# Altium PCB 小车PCB升级.PcbDoc (part 1 of 3) (continued)
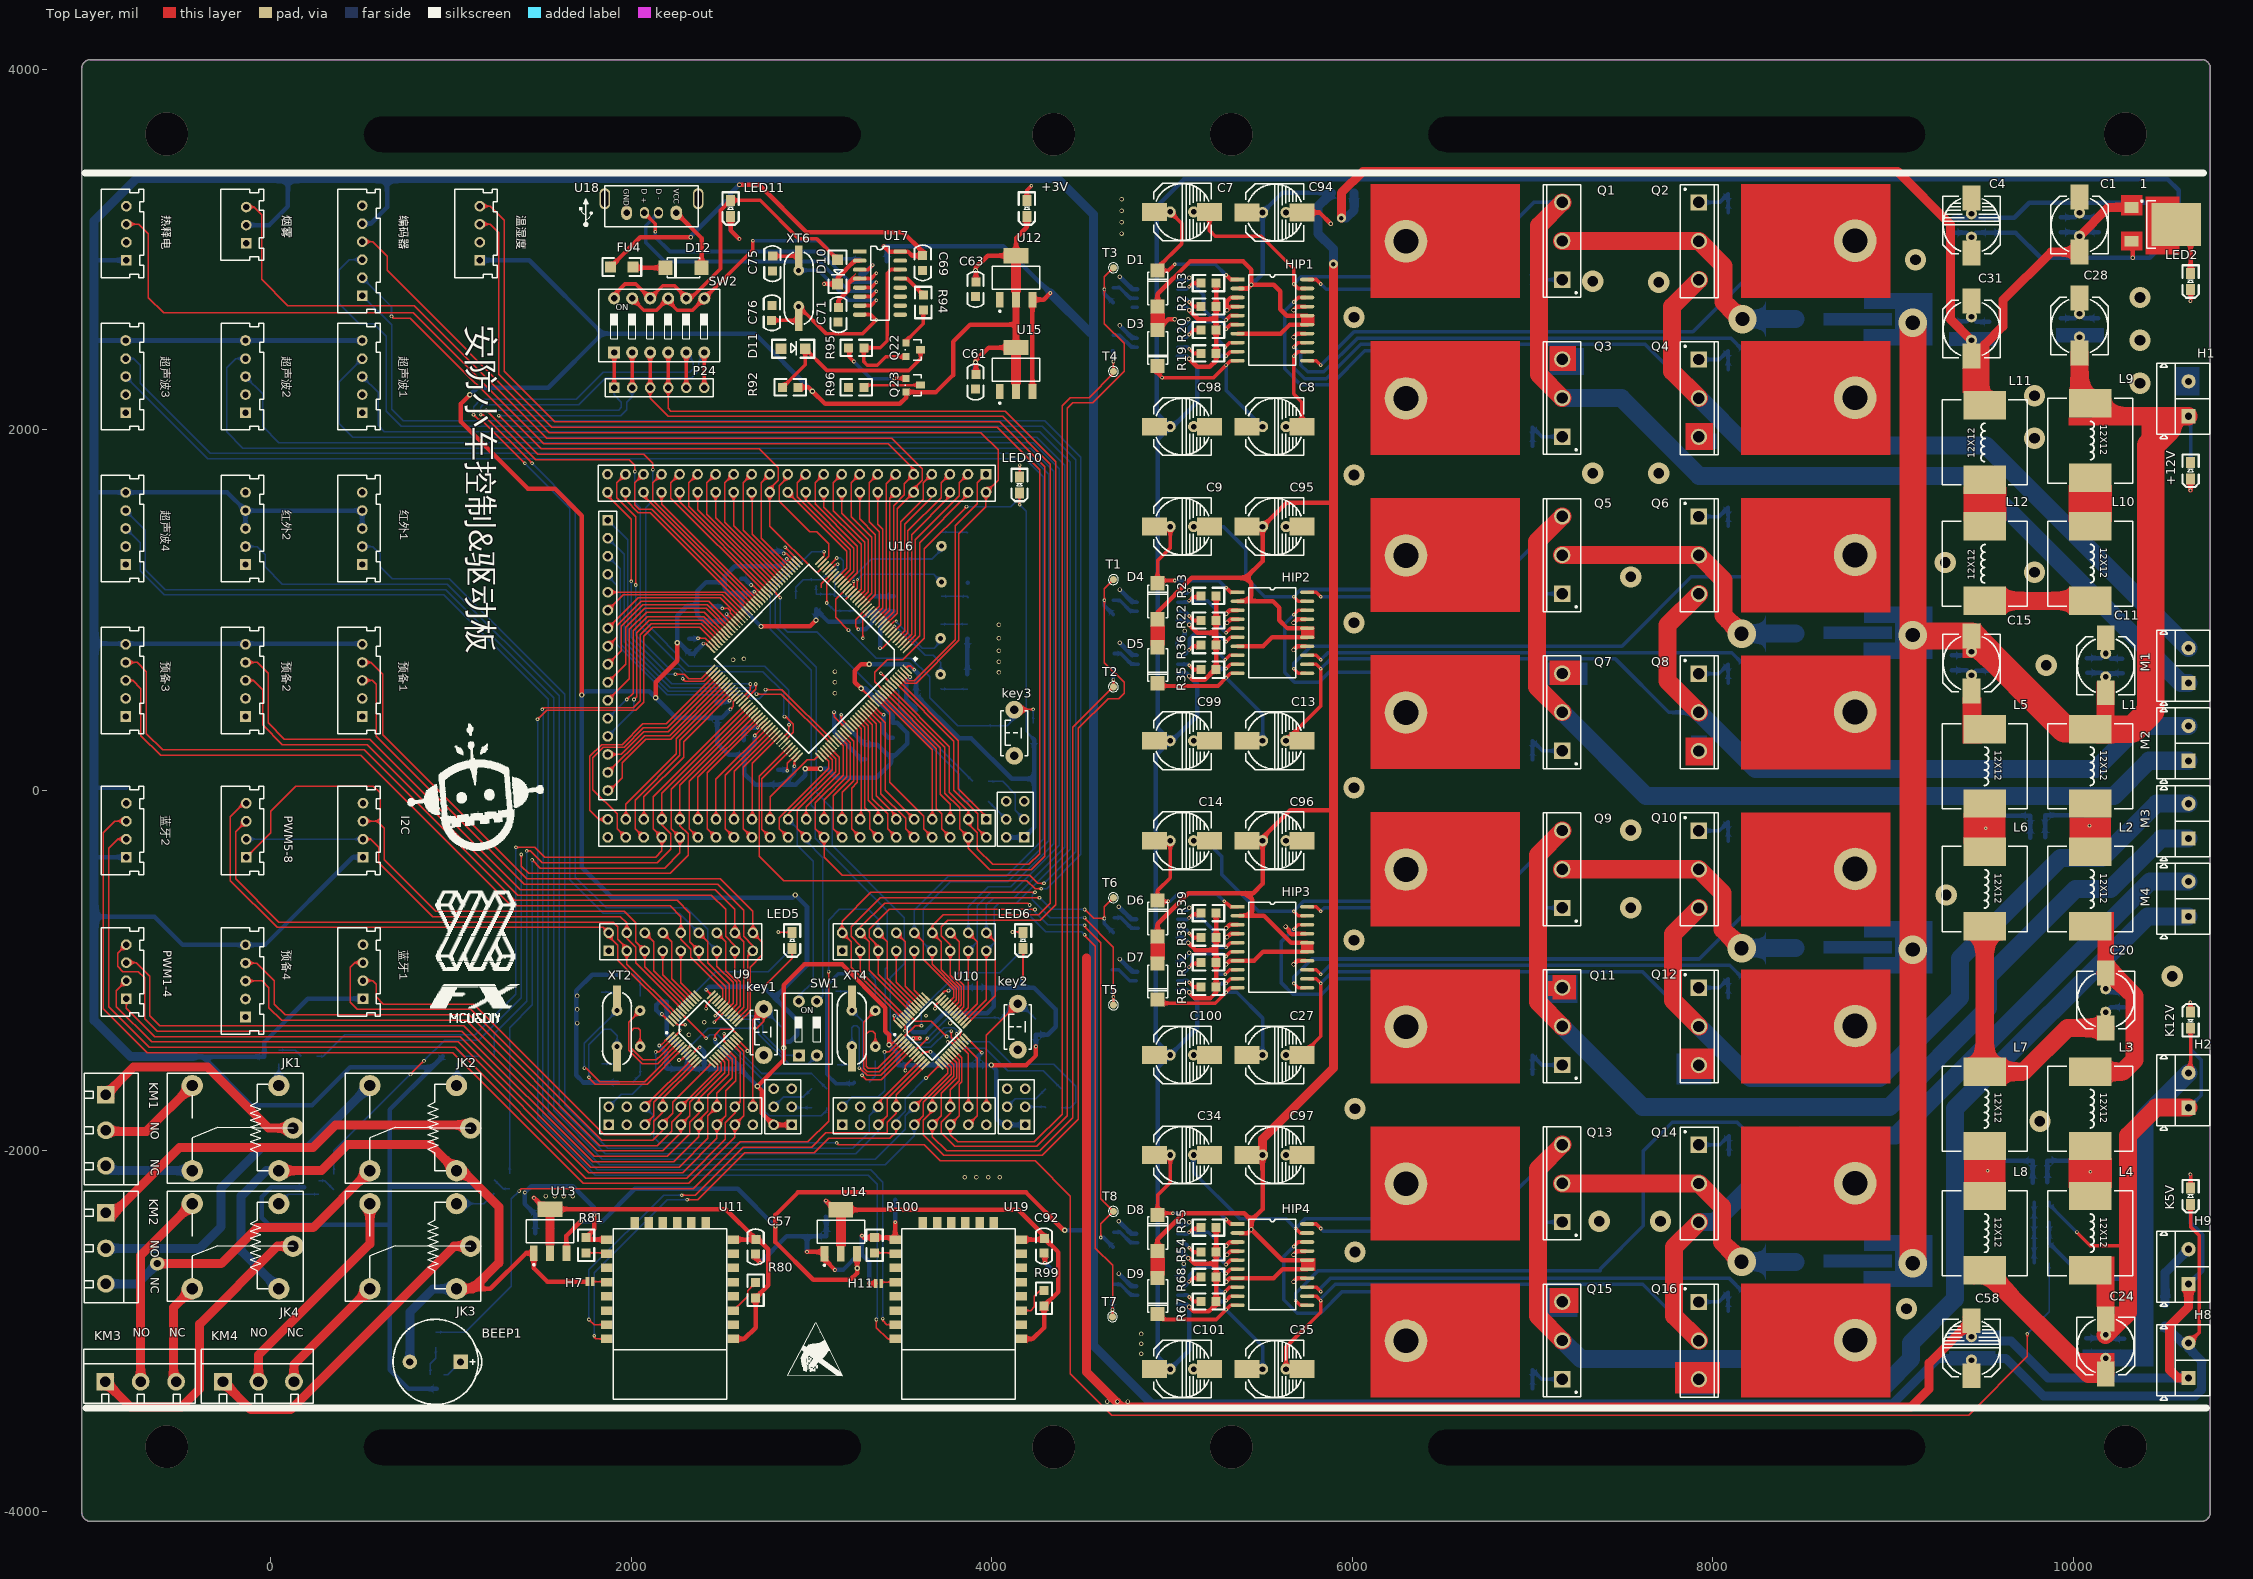
[diagram p0: Top Layer view]
## Components (designator, comment, footprint, x,y, rotation, side; value= is the part's Value field where it differs from the comment) (continued)
U3 "6N137" SOP-8 4920,1020 r90 bottom
U4 "6N137" SOP-8 4920,725 r90 bottom
U5 "6N137" SOP-8 4920,-740 r90 bottom
U6 "6N137" SOP-8 4920,-1030 r90 bottom
U7 "6N137" SOP-8 4920,-2485 r90 bottom
U8 "6N137" SOP-8 4920,-2775 r90 bottom
U9 "STM32F103C8" TQFP48 2405,-1325 r45 top
U10 "STM32F103C8" TQFP48 3670,-1335 r45 top
U11 "ESP-12F" ESP-12F 2530.35,-2432.24 r180 top
U12 "LM1117" SOT-223 4135.17,2845 r0 top
U13 "LM1117" SOT-223 1550,-2445 r0 top
U14 "LM1117" SOT-223 3162.48,-2448.31 r0 top
U15 "LM1117" SOT-223 4135.17,2335 r0 top
U16 "STM32F103ZET6" TQFP144 3025,650 r225 top
U17 "CH340G" SOP-16 3380,2815 r270 top
U18 "USB A" "USB A 母-立式" 2111.4,3242.26 r180 top
U19 "ESP-12F" ESP-12F 4129.57,-2432.24 r180 top
XT1 "32.768K" XTAL-T 2050,-1320 r90 bottom
XT2 "8MHZ" XTAL-T 1920,-1320 r90 top
XT3 "32.768K" XTAL-T 3355,-1320 r90 bottom
XT4 "8MHZ" XTAL-T 3225,-1321 r270 top
XT5 "32.768KHZ" XTAL-T 3716.94,745 r90 bottom
XT6 "12MHZ" XTAL-T 2930,2785 r270 top
XT7 "8MHZ" XTAL-T 3720,1255 r270 bottom
温湿度 "HTU21D" PZ_XH-2.54-4P 1160,3041.77 r90 top (schematic designator HTU1)
烟雾 "Header 3H" PZ_XH-2.54-3P -136.67,3136.85 r90 top (schematic designator P8)
热释电 "Header 4H" PZ_XH-2.54-4P -801.06,3041.77 r90 top (schematic designator P7)
红外1 "Header 5H" PZ_XH-2.54-5P 507.73,1253.65 r90 top (schematic designator P14)
红外2 "Header 5H" PZ_XH-2.54-5P -140,1253.65 r90 top (schematic designator P15)
编码器 "Header 6H" PZ_XH-2.54-6P 507.73,2745 r90 top (schematic designator P25)
蓝牙1 "蓝牙1" PZ_XH-2.54-4P 511.67,-1055 r90 top (schematic designator P4)
蓝牙2 "蓝牙2" PZ_XH-2.54-4P -801.06,-270 r90 top (schematic designator P10)
超声波1 "Header 5H" PZ_XH-2.54-5P 507.73,2096.53 r90 top (schematic designator P16)
超声波2 "Header 5H" PZ_XH-2.54-5P -140,2096.53 r90 top (schematic designator P17)
超声波3 "Header 5H" PZ_XH-2.54-5P -805,2096.53 r90 top (schematic designator P20)
超声波4 "Header 5H" PZ_XH-2.54-5P -805,1253.65 r90 top (schematic designator P21)
预备1 "Header 5H" PZ_XH-2.54-5P 507.73,410.76 r90 top (schematic designator P18)
预备2 "Header 5H" PZ_XH-2.54-5P -140,410.76 r90 top (schematic designator P19)
预备3 "Header 5H" PZ_XH-2.54-5P -805,410.76 r90 top (schematic designator P22)
预备4 "Header 5H" PZ_XH-2.54-5P -140,-1256.77 r90 top (schematic designator P23)
? "Comment" ICO1 3015,-3135 r0 top
? "Comment" USB_LOGO 1750,3200 r0 top
? "Comment" B209 1095,-25 r0 top

## Footprints (in the part's own frame and the unit in brackets; to place one, negate y for a bottom-side part, rotate by r counter-clockwise, add the part's x,y. Pads: shape width x height; smd on the part's side, far side on the other; paste and mask are expansions set on the pad)
2P [mil]
  rect 20x50 smd: 1(-15,1) 2(15,1)
5V蜂鸣器 [mil]
  rect 80x80 hole 40: 1(-138,0)
  round 80 hole 40: 2(143.59,0)
  silkscreen extent -256,-236 236,236, body extent -232,-236 240,237, height 339
12*12电感 [mm]
  rect 4x6 smd: 1(0.762,6) 2(11.238,5.994)
  silkscreen extent 0,0 12,12, body extent -0.36,-0.36 12.34,12.34, height 8.5
0805 [mil]
  rect 50x50 smd: 1(-5,0) 2(80,0)
  silkscreen extent -50,-45 125,45, body extent -8,-24 70,25
0805C [mil]
  rect 50x50 smd: 1(0,-5) 2(82,-7)
  silkscreen extent -59,-50 139,40, body extent 2,-30 80,17, height 47
0805D [mil]
  rect 60x50 smd: 1(-45,0) 2(45,0)
  silkscreen extent -90,-45 90,45, body extent -43,-25 37,24, height 43
1206 [mil]
  rect 60x60 smd: 1(5,0) 2(130,0)
  silkscreen extent -40,-50 175,50
1206D [mil]
  rect 60x60 smd: 1(0,0) 2(135,0)
  silkscreen extent -50,-50 185,50
B209 [mil]
  silkscreen extent -338,-307 420,396
CD-8*8-2 [mil] "CD11"
  rect 98.43x137.8 smd: 1(0,155) 2(0,-150)
  round 62 hole 31.5: 1(0,68) 2(0,-62)
  silkscreen extent -160,-160 160,160, body extent -163,-177 163,177, height 272
CD-8*8-无极性 [mil] "CD11"
  round 62 hole 31.5: 1(0,68) 2(0,-62)
  rect 98.43x137.8 smd: 1(0,155) 2(0,-150)
  silkscreen extent -160,-160 160,160, body extent -157,-157 157,157, height 394
"CSW DIP-2P" [mm] "6.6*9.9*7mm"
  rect 1.7x1.7 hole 0.9: 1(-1.27,-3.81)
  round 1.7 hole 0.9: 2(1.27,-3.81) 3(1.27,3.81) 4(-1.27,3.81)
  silkscreen extent -3.43,-5.08 3.43,4.95, body extent -3.32,-4.95 3.32,4.95, height 6.65
"CSW DIP-6P" [mm] "16.8*9.9*7mm"
  rect 1.7x1.7 hole 0.9: 1(-6.35,-3.81)
  round 1.7 hole 0.9: 2(-3.81,-3.81) 3(-1.27,-3.81) 4(1.27,-3.81) 5(3.81,-3.81) 6(6.35,-3.81) 7(6.35,3.81) 8(3.81,3.81) 9(1.27,3.81) 10(-1.27,3.81) 11(-3.81,3.81) 12(-6.35,3.81)
  silkscreen extent -8.51,-5.08 8.51,5.08, body extent -8.4,-4.95 8.4,4.95, height 6.65
"DO-214-M7-  4007贴片" [mm]
  rect 2x2 smd: 1(2.413,0) 2(-2.667,0)
  silkscreen extent -2.41,-1.4 2.19,1.4, body extent -2.73,-1.33 2.47,1.27, height 2.53
ESP-12F [mm]
  rect 1.6x1.2 smd: 1(-0.9,15.5) 2(-0.9,13.5) 3(-0.9,11.5) 4(-0.9,9.5) 5(-0.9,7.5) 6(-0.9,5.5) 7(-0.9,3.5) 8(-0.9,1.5) 15(16.9,1.5) 16(16.9,3.5) 17(16.9,5.5) 18(16.9,7.5) 19(16.9,9.5) 20(16.9,11.5) 21(16.9,13.5) 22(16.9,15.5)
  rect 1.2x1.6 smd: 9(3,-0.9) 10(5,-0.9) 11(7,-0.9) 12(9,-0.9) 13(11,-0.9) 14(13,-0.9)
  silkscreen extent 0,0 16,24, body extent -1.4,-1.4 17.42,24.18, height 2.4
HDR1X6 [mm] "Connector; Header; 6 Position"
  rect 1.5x1.5 hole 0.9: 1(0,0)
  round 1.5 hole 0.9: 2(2.54,0) 3(5.08,0) 4(7.62,0) 5(10.16,0) 6(12.7,0)
  silkscreen extent -1.27,-1.27 13.97,1.27
HDR1X16 [mm] "Connector; Header; 16 Position"
  rect 1.5x1.5 hole 0.9: 1(0,0)
  round 1.5 hole 0.9: 2(2.54,0) 3(5.08,0) 4(7.62,0) 5(10.16,0) 6(12.7,0) 7(15.24,0) 8(17.78,0) 9(20.32,0) 10(22.86,0) 11(25.4,0) 12(27.94,0) 13(30.48,0) 14(33.02,0) 15(35.56,0) 16(38.1,0)
  silkscreen extent -1.27,-1.27 39.37,1.27
HDR2X3 [mm] "Connector; Header; 3x2 Position"
  rect 1.5x1.5 hole 0.9: 1(0,0)
  round 1.5 hole 0.9: 2(0,2.54) 3(2.54,0) 4(2.54,2.54) 5(5.08,0) 6(5.08,2.54)
  silkscreen extent -1.27,-1.27 6.35,3.81
HDR2X9 [mm] "Connector; Header; 9x2 Position"
  rect 1.5x1.5 hole 0.9: 1(0,0)
  round 1.5 hole 0.9: 2(0,2.54) 3(2.54,0) 4(2.54,2.54) 5(5.08,0) 6(5.08,2.54) 7(7.62,0) 8(7.62,2.54) 9(10.16,0) 10(10.16,2.54) 11(12.7,0) 12(12.7,2.54) 13(15.24,0) 14(15.24,2.54) 15(17.78,0) 16(17.78,2.54) 17(20.32,0) 18(20.32,2.54)
  silkscreen extent -1.27,-1.27 21.59,3.81
HDR2X22 [mm] "Connector; Header; 22x2 Position"
  rect 1.5x1.5 hole 0.9: 1(0,0)
  round 1.5 hole 0.9: 2(0,2.54) 3(2.54,0) 4(2.54,2.54) 5(5.08,0) 6(5.08,2.54) 7(7.62,0) 8(7.62,2.54) 9(10.16,0) 10(10.16,2.54) 11(12.7,0) 12(12.7,2.54) 13(15.24,0) 14(15.24,2.54) 15(17.78,0) 16(17.78,2.54) 17(20.32,0) 18(20.32,2.54) 19(22.86,0) 20(22.86,2.54) 21(25.4,0) 22(25.4,2.54) 23(27.94,0) 24(27.94,2.54) 25(30.48,0) 26(30.48,2.54) 27(33.02,0) 28(33.02,2.54) 29(35.56,0) 30(35.56,2.54) 31(38.1,0) 32(38.1,2.54) 33(40.64,0) 34(40.64,2.54) 35(43.18,0) 36(43.18,2.54) 37(45.72,0) 38(45.72,2.54) 39(48.26,0) 40(48.26,2.54) 41(50.8,0) 42(50.8,2.54) 43(53.34,0) 44(53.34,2.54)
  silkscreen extent -1.27,-1.27 54.61,3.81
ICO1 [mil]
  silkscreen extent -147,-112 156,183
KF301-3P [mm] "可拼接端子/6A"
  rect 2.5x2.5 hole 1.5: 1(0,0)
  round 2.5 hole 1.5: 2(5,0) 3(10,0)
  silkscreen extent -3.05,-3.05 12.7,4.57, body extent -2.87,-3 12.63,4.6, height 10.05
KF301接线端子 [mm]
  rect 2x2 hole 1: 1(2.54,2.997)
  round 2 hole 1: 2(7.46,2.997)
  silkscreen extent -0.6,0 10.01,7.5, body extent -0.5,-0.08 10,7.62, height 10.51
PZ_XH-2.54-3P [mm]
  rect 1.5x1.5 hole 0.9: 1(-2.54,0)
  round 1.5 hole 0.9: 2(0,0) 3(2.54,0)
  silkscreen extent -4.99,-2.45 5.06,3.55, body extent -5,-2.5 5,3.5, height 7.7
PZ_XH-2.54-4P [mm] "两针白色插座（已加焊）"
  rect 1.5x1.5 hole 0.9: 1(-2.54,0)
  round 1.5 hole 0.9: 2(0,0) 3(2.54,0) 4(5.08,0)
  silkscreen extent -5.02,-2.45 7.47,3.55, body extent -5.02,-2.45 7.5,3.55, height 7.7
PZ_XH-2.54-5P [mm]
  rect 1.5x1.5 hole 0.9: 1(0,0)
  round 1.5 hole 0.9: 2(2.54,0) 3(5.08,0) 4(7.607,0.006) 5(10.16,0)
  silkscreen extent -2.42,-2.55 12.6,3.45, body extent -2.44,-2.5 12.64,3.5, height 7.7
PZ_XH-2.54-6P [mm]
  rect 1.5x1.5 hole 0.9: 1(0,0)
  round 1.5 hole 0.9: 2(2.54,0) 3(5.08,0) 4(7.607,0.006) 5(10.16,0) 5(12.7,0)
  silkscreen extent -2.42,-2.55 15.01,3.45, body extent -2.41,-2.37 14.99,3.38, height 7.7
SIP1-1*1 [mm] "Connector; Plug"
  round 1 smd: 1(0,0)
  silkscreen extent -0.7,-0.7 0.7,0.7
SOP-8 [mil]
  rect 24x76 smd: 1(-75,-112.5)
  oval 24x76 smd: 2(-25,-112.5) 3(25,-112.5) 4(75,-112.5) 5(75,112.5) 6(25,112.5) 7(-25,112.5) 8(-75,112.5)
  silkscreen extent -112,-118 105,53, body extent -95,-118 97,118, height 67
SOP-16 [mil]
  rect 24x76 smd: 1(-175,-112.5)
  oval 24x76 smd: 2(-125,-112.5) 3(-75,-112.5) 4(-25,-112.5) 5(25,-112.5) 6(75,-112.5) 7(125,-112.5) 8(175,-112.5) 9(175,112.5) 10(125,112.5) 11(75,112.5) 12(25,112.5) 13(-25,112.5) 14(-75,112.5) 15(-125,112.5) 16(-175,112.5)
  silkscreen extent -205,-52 205,53, body extent -197,-150 197,150, height 66
SOP-20.. [mm]
  rect 2x0.5 smd: 1(0,0)
  oval 2x0.5 smd: 2(0,-1.27) 3(0,-2.54) 4(0,-3.81) 5(0,-5.08) 6(0,-6.35) 7(0,-7.62) 8(0,-8.89) 9(0,-10.16) 10(0,-11.43) 11(9.8,-11.43) 12(9.8,-10.16) 13(9.8,-8.89) 14(9.8,-7.62) 15(9.8,-6.35) 16(9.8,-5.08) 17(9.8,-3.81) 18(9.8,-2.54) 19(9.8,-1.27) 20(9.8,0)
  silkscreen extent 1.58,-12.06 8.22,0.64, body extent -0.36,-12.22 10.27,0.78, height 2.66
SOT-23 [mil]
  rect 40x50 smd: 1(41.88,80.63)
  rect 40x40 smd: 2(79.88,0.63) 3(4.88,0.63)
  silkscreen extent -15,-4 100,86, body extent -15,-11 99,99, height 47
SOT-223 [mm]
  rect 1.1x2.15 smd: 1(-2.3,-3.1) 2(0,-3.1) 3(2.3,-3.1)
  rect 3.5x2.15 smd: 2(0,3.1)
  silkscreen extent -3.35,-4.85 3.35,1.63, body extent -3.23,-3.58 3.27,3.38, height 1.7
SRD-C_B [mm] "单刀双投"
  round 3 hole 1.6: 1(0,0) 2(0,-12) 3(-2,-6) 4(12.2,0) 5(12.2,-12)
  silkscreen extent -3.4,-13.75 15.7,1.75, body extent -3.4,-13.75 15.7,1.75, height 15.6
TO263 [mm] "D2PAK936"
  rect 3.45x1 smd: 1(-6.225,2.54) 2(-6.225,0) 3(-6.225,-2.54)
  rect 8.5x10 smd: 2(5.588,0)
  silkscreen extent -6.35,-5.21 10.16,5.21, body extent -6.82,-5.05 8.85,4.95, height 4.88
"TO-247 - 贴" [mm] "SIP with Mounting Hole; 3 Leads; Body 20 x 15.6 x 5 mm (typ); Pitch 5.45 mm"
  rect 2.3x2.3 hole 1.6: 1(-5.45,0)
  round 2.3 hole 1.6: 2(0,0) 3(5.45,0)
  round 6 hole 3.5: 4(-0.051,22.022)
  Top Layer region: -8,6 8,6 8,27 -8,27
  Top Layer lines w0: 0,6.02 0,6
  Top Layer lines w0.127: 0.025,22.098 -0.051,22.022
  silkscreen extent -7.95,-2.6 7.95,2.7, body extent -8.08,-0.08 8.13,27.15, height 5.1
TO-252-2 [mm]
  rect 2x1.5 smd: 1(-3.764,2.407) 3(-3.759,-2.337)
  rect 7x6 smd: 2(2.55,0)
  silkscreen extent -2.41,-3.35 -0.35,3.43, body extent -4.11,-3.2 5.59,3.38, height 2.3
TQFP48 [mm]
  rect 1.6x0.3 smd: 1(-4.064,2.743) 2(-4.064,2.243) 3(-4.064,1.743) 4(-4.064,1.243) 5(-4.064,0.743) 6(-4.064,0.243) 7(-4.064,-0.257) 8(-4.064,-0.757) 9(-4.064,-1.257) 10(-4.064,-1.757) 11(-4.064,-2.257) 12(-4.064,-2.757) 25(4.136,-2.757) 26(4.136,-2.257) 27(4.136,-1.757) 28(4.136,-1.257) 29(4.136,-0.757) 30(4.136,-0.257) 31(4.136,0.243) 32(4.136,0.743) 33(4.136,1.243) 34(4.136,1.743) 35(4.136,2.243) 36(4.136,2.743)
  rect 0.3x1.6 smd: 13(-2.714,-4.107) 14(-2.214,-4.107) 15(-1.714,-4.107) 16(-1.214,-4.107) 17(-0.714,-4.107) 18(-0.214,-4.107) 19(0.286,-4.107) 20(0.786,-4.107) 21(1.286,-4.107) 22(1.786,-4.107) 23(2.286,-4.107) 24(2.786,-4.107) 37(2.786,4.093) 38(2.286,4.093) 39(1.786,4.093) 40(1.286,4.093) 41(0.786,4.093) 42(0.286,4.093) 43(-0.214,4.093) 44(-0.714,4.093) 45(-1.214,4.093) 46(-1.714,4.093) 47(-2.214,4.093) 48(-2.714,4.093)
  silkscreen extent -4.22,-2.91 2.94,3.53, body extent -4.48,-4.51 4.53,4.51, height 1.1
TQFP144 [mil]
  rect 70x10 smd: 1(-456.38,259.96)
  oval 70x10 smd: 2(-456.38,240.28) 3(-456.38,220.59) 4(-456.38,200.91) 5(-456.38,181.22) 6(-456.38,161.54) 7(-456.38,141.85) 8(-456.38,122.17) 9(-456.38,102.48) 10(-456.38,82.8) 11(-456.38,63.11) 12(-456.38,43.43) 13(-456.38,23.74) 14(-456.38,4.06) 15(-456.38,-15.63) 16(-456.38,-35.32) 17(-456.38,-55) 18(-456.38,-74.69) 19(-456.38,-94.37) 20(-456.38,-114.06) 21(-456.38,-133.74) 22(-456.38,-153.43) 23(-456.38,-173.11) 24(-456.38,-192.8) 25(-456.38,-212.48) 26(-456.38,-232.17) 27(-456.38,-251.85) 28(-456.38,-271.54) 29(-456.38,-291.22) 30(-456.38,-310.91) 31(-456.38,-330.59) 32(-456.38,-350.28) 33(-456.38,-369.96) 34(-456.38,-389.65) 35(-456.38,-409.33) 36(-456.38,-429.02) 73(398.27,-429.02) 74(398.27,-409.33) 75(398.27,-389.65) 76(398.27,-369.96) 77(398.27,-350.28) 78(398.27,-330.59) 79(398.27,-310.91) 80(398.27,-291.22) 81(398.27,-271.54) 82(398.27,-251.85) 83(398.27,-232.17) 84(398.27,-212.48) 85(398.27,-192.8) 86(398.27,-173.11) 87(398.27,-153.43) 88(398.27,-133.74) 89(398.27,-114.06) 90(398.27,-94.37) 91(398.27,-74.69) 92(398.27,-55) 93(398.27,-35.32) 94(398.27,-15.63) 95(398.27,4.06) 96(398.27,23.74) 97(398.27,43.43) 98(398.27,63.11) 99(398.27,82.8) 100(398.27,102.48) 101(398.27,122.17) 102(398.27,141.85) 103(398.27,161.54) 104(398.27,181.22) 105(398.27,200.91) 106(398.27,220.59) 107(398.27,240.28) 108(398.27,259.96)
  oval 10x70 smd: 37(-373.54,-511.85) 38(-353.86,-511.85) 39(-334.17,-511.85) 40(-314.49,-511.85) 41(-294.8,-511.85) 42(-275.12,-511.85) 43(-255.43,-511.85) 44(-235.75,-511.85) 45(-216.06,-511.85) 46(-196.38,-511.85) 47(-176.69,-511.85) 48(-157.01,-511.85) 49(-137.32,-511.85) 50(-117.64,-511.85) 51(-97.95,-511.85) 52(-78.27,-511.85) 53(-58.58,-511.85) 54(-38.9,-511.85) 55(-19.21,-511.85) 56(0.47,-511.85) 57(20.16,-511.85) 58(39.84,-511.85) 59(59.53,-511.85) 60(79.21,-511.85) 61(98.9,-511.85) 62(118.58,-511.85) 63(138.27,-511.85) 64(157.95,-511.85) 65(177.64,-511.85) 66(197.32,-511.85) 67(217.01,-511.85) 68(236.69,-511.85) 69(256.38,-511.85) 70(276.06,-511.85) 71(295.75,-511.85) 72(315.43,-511.85) 109(315.43,342.8) 110(295.75,342.8) 111(276.06,342.8) 112(256.38,342.8) 113(236.69,342.8) 114(217.01,342.8) 115(197.32,342.8) 116(177.64,342.8) 117(157.95,342.8) 118(138.27,342.8) 119(118.58,342.8) 120(98.9,342.8) 121(79.21,342.8) 122(59.53,342.8) 123(39.84,342.8) 124(20.16,342.8) 125(0.47,342.8) 126(-19.21,342.8) 127(-38.9,342.8) 128(-58.58,342.8) 129(-78.27,342.8) 130(-97.95,342.8) 131(-117.64,342.8) 132(-137.32,342.8) 133(-157.01,342.8) 134(-176.69,342.8) 135(-196.38,342.8) 136(-216.06,342.8) 137(-235.75,342.8) 138(-255.43,342.8) 139(-275.12,342.8) 140(-294.8,342.8) 141(-314.49,342.8) 142(-334.17,342.8) 143(-353.86,342.8) 144(-373.54,342.8)
  silkscreen extent -458,-455 341,345, body extent -463,-518 404,349, height 43
"USB A 母-立式" [mil]
  oval 65x80 hole 37: 1(-138.6,37.26)
  oval 50x65 hole 37: 2(-40,37.26) 3(38.5,37.26)
  oval 60x80 hole 37: 4(137,37.26)
  oval 59.06x118.11 hole 39.37 slot 90 at 90 deg: 5(-260,-40.74) 6(258,-40.74)
  silkscreen extent -260,-112 258,116, body extent -296,-136 297,140, height 610
USB_LOGO [mil]
  silkscreen extent -41,-67 33,84
XTAL-T [mil]
  rect 118.11x43.31 smd: 1(-179,-1) 2(178,-1)
  round 59.06 hole 28: 1(-101,-1) 2(99,-1)
  silkscreen extent -199,-81 197,79, body extent -224,-90 222,93, height 158
按键DIP-3*6*5 [mm] "3*6*5mm"
  round 2.5 hole 1.2: 1(3.25,0) 2(-3.25,0)
  silkscreen extent -3.21,-1.9 3.09,1.9, body extent -3.91,-1.75 3.91,1.75, height 5.01

## Part data
1: library part 78XX
2 C1 C2 C3 C5 C6 C10 C11 C12 C15 C16 C17 C18 C19 C20 C21 C22 C23 C24 C25 C26 C28 C29 C30 C31 C32 C33 C36 C37 C38 C39 C40 C41 C42 C43 C44 C45 C46 C47 C48 C49 C50 C51 C52 C53 C54 C55 C56 C57 C59 C60 C61 C62 C63 C64 C65 C66 C67 C68 C69 C70 C71 C72 C73 C74 C75 C76 C77 C78 C79 C80 C81 C82 C83 C84 C85 C86 C87 C88 C89 C90 C91 C92 C93: library part C
+12V K12V LED2: library part LED
C4 C7 C8 C9 C13 C14 C27 C34 C35 C58 C94 C95 C96 C97 C98 C99 C100 C101: library part C+
DF1 DF2 DF3 DF4: library part D复合二极管
FU4: library part FUSE
H1 H2 H8 H9 M1 M2 M3 M4: library part "KF301 接线端子"
I2C PWM1-4 PWM5-8 蓝牙1 蓝牙2: library part "Header 4H", "Header, 4-Pin, Right Angle"
JK1 JK2 JK3 JK4: library part SRD-05VDC-SL-C, "5V单路双控继电器"
KM1 KM2 KM3 KM4: library part "Header 3", "3P接插件"
P1 P2: library part "Header 9X2", "Header, 9-Pin, Dual row"
P5 P6: "Header, 9-Pin, Dual row"
P12 P13 P29: "Header, 3-Pin, Dual row"
P24: "Header, 6-Pin"
P26 P27: "Header, 22-Pin, Dual row"
P28: "Header, 16-Pin"
Q22: library part NPN
Q23: library part PNP
R1 R2 R3 R4 R5 R6 R7 R8 R9 R10 R11 R12 R13 R14 R15 R16 R18 R19 R20 R21 R22 R23 R24 R25 R26 R27 R28 R29 R30 R31 R32 R33 R34 R35 R36 R37 R38 R39 R40 R41 R42 R43 R44 R45 R46 R47 R48 R49 R50 R51 R52 R53 R54 R55 R56 R57 R58 R59 R60 R61 R62 R63 R64 R65 R66 R67 R68 R69 R70 R71 R73 R74 R75 R76 R77 R78 R79 R80 R81 R82 R83 R84 R85 R86 R87 R88 R90 R91 R92 R93 R94 R95 R96 R97 R98 R99 R100 R101 R102 R103: library part Res
SW1: "2路编码开关"
SW2: "6路编码开关"
XT1 XT2 XT3 XT4 XT5 XT6 XT7: library part XTAL
烟雾: "Header, 3-Pin, Right Angle"
热释电: "Header, 4-Pin, Right Angle"
红外1 红外2 超声波1 超声波2 超声波3 超声波4 预备1 预备2 预备3 预备4: "Header, 5-Pin, Right Angle"
编码器: "Header, 6-Pin, Right Angle"

## Free pads (board coordinates)
  rect 60x60 hole 196.85 slot 2755.91 at 0 deg unplated: 3(1895.22,-3643.85) 3(1895.22,3640.01) 3(7800.22,-3643.85) 3(7800.22,3640.15)

## Via types
v1: diameter 20, hole 10, Top Layer to Bottom Layer, 240 vias
v2: diameter 25, hole 15, Top Layer to Bottom Layer, 83 vias
v3: diameter 118.11, hole 59.06, Top Layer to Bottom Layer, 29 vias
v4: diameter 30, hole 15, Top Layer to Bottom Layer, 20 vias
v5: diameter 157.48, hole 78.74, Top Layer to Bottom Layer, 8 vias
v6: diameter 236.22, hole 236.22, Top Layer to Bottom Layer, 8 vias
v7: diameter 16, hole 8, Top Layer to Bottom Layer, 3 vias
v8: diameter 50, hole 25, Top Layer to Bottom Layer, 2 vias
v9: diameter 78.74, hole 39.37, Top Layer to Bottom Layer, 1 vias
v10: diameter 15, hole 8, Top Layer to Bottom Layer, 1 vias
v11: diameter 15, hole 7, Top Layer to Bottom Layer, 1 vias

## Nets (pads, with @x,y where several pads share a name; then routed paths per layer and width w, separated by ;. In a path a pad name is that pad's centre, name@x,y a point inside that pad or via, vN(x,y) a via of type N, cw(c..) or ccw(c..) an arc to the next point about the centre after c; other vN are vias at no path point)
1BOOT0: R78.2 U10.44 | length 1276.6
  Top Layer w8: U10.44@3536.17,-1240.93 3536.36,-1240.93 3575.43,-1280 3665,-1280 v1(3750,-1365)
  Bottom Layer w8: v1(3750,-1365) 3765,-1365 3795,-1395 3985,-1395 4110,-1520 4345,-1520 4465,-1640 4465,-1730 4435,-1760 R78.2@4385,-1760
1BOOT1: R79.1 U10.20 | length 812.3
  Top Layer w8: v1(3755,-1395) 3773.76,-1395 U10.20@3806.21,-1427.45
  Bottom Layer w8: v1(3755,-1395) 3750,-1395 3785,-1430 3965,-1430 4090,-1555 4285,-1555 R79.1@4385,-1655
1ESPRXD: P5.8 U10.12 U11.21 | length 2820.3
  Top Layer w8: v1(1765,-2935) 1793.74,-2963.74 U11.21@1865,-2963.74 ; v1(2280,-2245) 2355,-2245 2620,-1980 3000,-1980 3080,-1900 3420,-1900 3420,-1840 3470,-1790 P5.8@3470,-1755 3470,-1688.49 U10.12@3633.61,-1524.88
  Bottom Layer w8: v1(1765,-2935) 1765,-2660 2180,-2245 v1(2280,-2245)
1ESPTXD: P5.7 U10.13 U11.22 | length 2902.3
  Top Layer w8: v1(1795,-3025) 1795,-3035 1802.48,-3042.48 U11.22@1865,-3042.48 ; v1(2310,-2270) 2370,-2270 2630,-2010 3015,-2010 3095,-1930 3435,-1930 3470,-1895 P5.7@3470,-1855 ; v1(3635,-1595) 3638.66,-1595 U10.13@3708.77,-1524.88
  Bottom Layer w8: v1(1795,-3025) 1795,-2675 2200,-2270 v1(2310,-2270) ; P5.7@3470,-1855 3470,-1830 3520,-1780 3520,-1710 v1(3635,-1595)
1NRST: C52.1 key2.1 P5.18 R75.1 U10.7 | length 1483.9
  Top Layer w8: U10.7@3564.01,-1455.29 3642.15,-1377.15 v1(3642.15,-1375) ; P5.18@3970,-1755 3970,-1357.05 key2.1@4145,-1182.05
  Bottom Layer w8: v1(3642.15,-1375) 3757.15,-1260 4035,-1260 C52.1@4043,-1268 4128.95,-1182.05 key2.1@4145,-1182.05 4157.05,-1182.05 R75.1@4245,-1270
1OSCIN: C50.2 U10.5 XT4.2 | length 898.4
  Top Layer w8: v1(3265,-1540) 3268.28,-1540 3308.28,-1580 3383.62,-1580 U10.5@3536.17,-1427.45
  Bottom Layer w8: C50.2@3142,-1522 3203,-1522 3224,-1501 XT4.2@3224,-1420 3224,-1316 3235,-1305 3250,-1305 3265,-1320 v1(3265,-1540)
1OSCOUT: C56.2 U10.6 XT4.1 | length 912.6
  Top Layer w8: v1(3280,-1580) 3305,-1605 3386.46,-1605 U10.6@3550.09,-1441.37
  Bottom Layer w8: C56.2@3135,-1115 3195,-1115 3224,-1144 XT4.1@3224,-1220 3285,-1281 3285,-1575 v1(3280,-1580)
1PA0: P5.6 U10.10 红外1.2 | length 6125.4
  Top Layer w8: P5.6@3370,-1755 3370,-1732.81 U10.10@3605.77,-1497.04
  Bottom Layer w8: 红外1.2@507.73,1353.65 566.35,1353.65 607.5,1312.5 607.5,1242.5 675,1175 990,1175 1630,535 1630,-1745 1870,-1985 3230,-1985 3320,-1895 3320,-1805 P5.6@3370,-1755
1PA1: P5.5 U10.11 红外2.2 | length 6818.3
  Top Layer w8: P5.5@3370,-1855 3420,-1805 3420,-1710.65 U10.11@3619.69,-1510.96
  Bottom Layer w8: 红外2.2@-140,1353.65 -75,1353.65 -30,1308.65 -30,1240 65,1145 980,1145 1600,525 1600,-1760 1855,-2015 3245,-2015 3370,-1890 P5.5@3370,-1855
1PA4: P5.10 U10.14 超声波4.4 | length 7832.8
  Top Layer w8: P5.10@3570,-1755 3755,-1570 3755,-1543.27 U10.14@3722.69,-1510.96
  Bottom Layer w8: 超声波4.4@-805.24,1553.15 -695,1442.91 -695,1225 -585,1115 970,1115 1570,515 1570,-1775 1840,-2045 3355,-2045 3520,-1880 3520,-1805 P5.10@3570,-1755
1PA5: P5.9 U10.15 超声波4.3 | length 7856
  Top Layer w8: P5.9@3570,-1855 3620,-1805 3620,-1730 3775,-1575 3775,-1535.43 U10.15@3736.61,-1497.04
  Bottom Layer w8: 超声波4.3@-805,1453.65 -725,1373.65 -725,1220 -590,1085 960,1085 1540,505 1540,-1790 1825,-2075 3410,-2075 3570,-1915 P5.9@3570,-1855
1PA6: P5.12 R21.1 T1.1 U10.16 | length 4806.9
  Top Layer w8: U10.16@3750.53,-1483.12 3790,-1522.59 3790,-1585 3670,-1705 P5.12@3670,-1755 3670,-1780 3620,-1830 3620,-1910 3735,-2025 4280,-2025 4480,-1825 4480,345 4645,510 4705,510 4735,540 4735,600 4625,710 v1(4625,1055) 4625,1120 T1.1@4675,1170
  Bottom Layer w20: v1(4625,1055) 4625,1025 R21.1@4675,975
1PA7: P5.11 R34.1 T2.1 U10.17 | length 4001.5
  Top Layer w8: U10.17@3764.45,-1469.21 3805,-1509.75 3805,-1595 3720,-1680 3720,-1805 P5.11@3670,-1855 3670,-1920 3750,-2000 4265,-2000 4450,-1815 4450,350 T2.1@4675,575 v1(4675,615)
  Bottom Layer w20: v1(4675,615) R34.1@4675,680
1PA8: P6.14 U10.29 | length 498.9
  Top Layer w8: P6.14@3770,-790 3820,-840 3820,-1055.8 3846,-1081.8 3846,-1201.14 U10.29@3806.21,-1240.93
1PA9: P6.13 P24.4 SW2.4 U10.30 | length 6261.7
  Top Layer w8: P24.4@2205,2235 2205,2120 2220,2105 4075,2105 4355,1825 4355,-635 4270,-720 3755,-720 3720,-755 3720,-805 3770,-855 P6.13@3770,-890 3770,-1025.6 3832,-1087.6 3832,-1187.3 U10.30@3792.29,-1227.01
  Top Layer w20: P24.4@2205,2235 SW2.4@2205,2430
1PA10: P6.12 P24.3 SW2.3 U10.31 | length 6308.7
  Top Layer w8: P24.3@2105,2235 2105,2175 2205,2075 4060,2075 4325,1810 4325,-624.8 4259.8,-690 3730,-690 3670,-750 P6.12@3670,-790 3720,-840 3720,-995.4 3818,-1093.4 3818,-1173.46 U10.31@3778.37,-1213.09
  Top Layer w20: P24.3@2105,2235 SW2.3@2105,2430
1PA11: P6.11 U10.32 超声波3.4 | length 8969.4
  Top Layer w8: P6.11@3670,-890 3670,-965.2 3804,-1099.2 3804,-1159.62 U10.32@3764.45,-1199.17
  Bottom Layer w8: 超声波3.4@-805.24,2396.03 -761.03,2396.03 -725,2360 -725,2260 -335,1870 4200,1870 4315,1755 4315,-280 4090,-505 3770,-505 3620,-655 3620,-845 3665,-890 P6.11@3670,-890
1PA12: P6.10 U10.33 超声波3.3 | length 8836.9
  Top Layer w8: P6.10@3570,-790 3620,-840 3620,-935 3790,-1105 3790,-1145.78 U10.33@3750.53,-1185.25
  Bottom Layer w8: 超声波3.3@-805,2296.53 -348.47,1840 4185,1840 4285,1740 4285,-270 4080,-475 3760,-475 3570,-665 P6.10@3570,-790
1PA15: P6.9 U10.38 | length 288
  Top Layer w8: P6.9@3570,-890 3570,-1107.72 U10.38@3619.69,-1157.41
1PB0: P5.14 R1.1 T3.1 U10.18 | length 6366.5
  Top Layer w8: U10.18@3778.37,-1455.29 3820,-1496.92 3820,-1610 3770,-1660 P5.14@3770,-1755 3770,-1790 3720,-1840 3720,-1900 3794.8,-1974.8 4250,-1974.8 4420,-1804.8 4420,2120 4450,2150 4560,2150 4735,2325 4735,2480 4625,2590 v1(4625,2780) 4625,2850 T3.1@4675,2900
  Bottom Layer w20: v1(4625,2780) 4625,2755 R1.1@4675,2705
1PB1: P5.13 R18.1 T4.1 U10.19 | length 5634.8
  Top Layer w8: U10.19@3792.29,-1441.37 3834,-1483.08 3834,-1615.8 3820,-1629.8 3820,-1805 P5.13@3770,-1855 3770,-1910 3810,-1950 4235,-1950 4390,-1795 4390,2135 4435,2180 4540,2180 4675,2315 T4.1@4675,2325 v1(4675,2380)
  Bottom Layer w20: v1(4675,2380) 4675,2435 4670,2440 R18.1@4675,2440
1PB3: P6.8 U10.39 | length 437.6
  Top Layer w8: P6.8@3470,-790 3520,-840 3520,-1085.56 U10.39@3605.77,-1171.33
1PB4: P6.7 U10.40 | length 345.7
  Top Layer w8: P6.7@3470,-890 3470,-1063.4 U10.40@3591.85,-1185.25
1PB5: P6.6 R82.1 U10.41 | length 4956.7
  Top Layer w8: v1(1377.5,-2222.5) 1390,-2210 2345,-2210 2605,-1950 2980,-1950 3095,-1835 v1(3095,-1005) ; P6.6@3370,-790 3420,-840 3420,-1041.24 U10.41@3577.93,-1199.17
  Bottom Layer w8: R82.1@915,-3005 1080,-3005 1335,-2750 1335,-2265 v1(1377.5,-2222.5) ; v1(3095,-1005) 3095,-720 3155,-660 3315,-660 3370,-715 P6.6@3370,-790
1PB6: P6.5 R53.1 T8.1 U10.42 | length 3750.3
  Top Layer w8: U10.42@3564.01,-1213.09 3370,-1019.08 P6.5@3370,-890 3370,-865 3320,-815 3320,-770 3430,-660 v1(4240,-660) ; v1(4515,-747.5) 4515,-755 4605,-845 4605,-2265 T8.1@4675,-2335 4605,-2405 v1(4605,-2480)
  Bottom Layer w8: v1(4240,-660) 4240,-675 4310,-745 4512.5,-745 v1(4515,-747.5)
  Bottom Layer w20: v1(4605,-2480) 4620,-2480 R53.1@4675,-2535
1PB7: P6.4 R66.1 T7.1 U10.43 | length 4232.9
  Top Layer w8: U10.43@3550.09,-1227.01 3320,-996.92 3320,-840 P6.4@3270,-790 3270,-760 3405,-625 4200,-625 v1(4210,-635) ; v1(4515,-800) 4515,-805 4575,-865 4575,-2540 4670,-2635 v1(4670,-2880) T7.1@4670,-2920
  Bottom Layer w8: v1(4210,-635) 4210,-695 4300,-785 4500,-785 v1(4515,-800)
  Bottom Layer w20: v1(4670,-2880) 4670,-2830 R66.1@4675,-2825
1PB8: P6.3 R37.1 T6.1 U10.45 | length 2380.4
  Top Layer w8: U10.45@3522.25,-1254.85 3270,-1002.59 P6.3@3270,-890 3270,-860 3220,-810 3220,-755 3380,-595 v1(4265,-595) ; v1(4515,-660) 4565,-710 v1(4625,-710) 4625,-645 T6.1@4675,-595
  Bottom Layer w8: v1(4265,-595) 4330,-660 v1(4515,-660)
  Bottom Layer w20: v1(4625,-710) 4625,-740 R37.1@4675,-790
1PB9: P6.2 R50.1 T5.1 U10.46 | length 2821.2
  Top Layer w8: U10.46@3508.33,-1268.77 3220,-980.43 3220,-840 P6.2@3170,-790 3170,-725 3330,-565 v1(4240,-565) ; v1(4515,-705) 4515,-710 4675,-870 v1(4675,-1145) T5.1@4675,-1185
  Top Layer w20: T5.1@4675,-1190 4680,-1190 T5.1@4675,-1185
  Bottom Layer w8: v1(4240,-565) 4225,-580 4225,-605 4325,-705 v1(4515,-705)
  Bottom Layer w20: v1(4675,-1145) R50.1@4675,-1080
1PB10: P5.16 U10.21 U16.37 | length 4055.8
  Top Layer w8: v1(2853.27,1350) U16.37@2927.2,1276.07 U16.37@2934.27,1269 ; v1(3775,-1335) 3775,-1368.4 U10.21@3820.13,-1413.53 3823.53,-1413.53 3870,-1460 P5.16@3870,-1755
  Bottom Layer w8: v1(2853.27,1350) 2900,1303.27 2900,1270 2770,1140 2770,895 2997.5,667.5 2997.5,-82.5 3020,-105 3020,-265.9 3420,-665.9 3420,-980 3410,-990 3410,-1350 3485,-1425 3661.72,-1425 3751.72,-1335 v1(3775,-1335)
1PB11: P5.15 U10.22 U16.36 | length 4241.8
  Top Layer w8: U16.36@3037.28,1269 3070,1301.72 v1(3070,1325) ; v1(3805,-1350) 3804.44,-1350.56 3804.44,-1370 U10.22@3834.05,-1399.61 3920,-1485.56 3920,-1805 P5.15@3870,-1855
  Bottom Layer w8: v1(3070,1325) 3000,1325 2800,1125 2800,910 3025,685 3025,-10 3115,-100 3115,-305 3515,-705 3515,-960 3437.5,-1037.5 3437.5,-1337.5 3500,-1400 3650,-1400 3735,-1315 3790,-1315 3805,-1330 v1(3805,-1350)
1PB12: P6.18 U10.25 超声波1.4 | length 7994.5
  Top Layer w8: U10.25@3861.89,-1296.6 4020,-1138.49 4020,-840 P6.18@3970,-790
  Bottom Layer w8: 超声波1.4@507.49,2396.03 380,2268.53 380,2035 455,1960 4250,1960 4405,1805 4405,-315 4125,-595 4010,-595 3970,-635 P6.18@3970,-790 P6.18@3995,-790
1PB13: P6.17 U10.26 超声波1.3 | length 7634.1
  Top Layer w8: U10.26@3847.97,-1282.69 3970,-1160.65 P6.17@3970,-890
  Bottom Layer w8: 超声波1.3@507.73,2296.53 595,2209.26 595,2025 630,1990 4265,1990 4435,1820 4435,-325 4135,-625 4040,-625 4015,-650 4015,-845 P6.17@3970,-890
1PB14: P6.16 U10.27 超声波2.4 | length 8526.5
  Top Layer w8: U10.27@3834.05,-1268.77 3920,-1182.81 3920,-840 P6.16@3870,-790
  Bottom Layer w8: 超声波2.4@-140.84,2396.03 -193.97,2396.03 -245,2345 -245,1990 -155,1900 4215,1900 4345,1770 4345,-295 4105,-535 3980,-535 3870,-645 P6.16@3870,-790
1PB15: P6.15 U10.28 超声波2.3 | length 8173.4
  Top Layer w8: U10.28@3820.13,-1254.85 3870,-1204.98 P6.15@3870,-890
  Bottom Layer w8: 超声波2.3@-140.6,2296.53 -45,2200.92 -45,2020 45,1930 4230,1930 4375,1785 4375,-305 4115,-565 3995,-565 3920,-640 3920,-840 P6.15@3870,-890
1PC13: P5.2 R70.2 U10.2 | length 1527.6
  Top Layer w8: v1(3405,-1450) 3430.1,-1450 U10.2@3494.41,-1385.69 ; U10.2@3512.72,-1367.28 3575,-1305 v1(3610,-1305)
  Bottom Layer w8: P5.2@3170,-1755 3225,-1700 3370,-1700 3405,-1665 v1(3405,-1450) ; v1(3610,-1305) 3610,-1215 3815,-1010 4045,-1010 4173.8,-881.2 R70.2@4173.8,-872.06
1PC14: C49.2 U10.3 XT3.1 | length 712.6
  Top Layer w8: XT3.1@3354,-1421 3354,-1349 3340,-1335 3319,-1335 3305,-1349 3305,-1530 3315,-1540 3367.94,-1540 3447.94,-1460 3448.39,-1460 3460.1,-1448.28 3460.1,-1447.84 U10.3@3508.33,-1399.61
  Bottom Layer w8: C49.2@3320,-1618 3354,-1584 XT3.1@3354,-1499
1PC15: C55.2 U10.4 XT3.2 | length 787.8
  Top Layer w8: XT3.2@3354,-1221 3290,-1285 3290,-1540 3310,-1560 3375.78,-1560 U10.4@3522.25,-1413.53
  Bottom Layer w8: C55.2@3320,-1015 3354,-1049 XT3.2@3354,-1142
1W2PA9: P1.13 P24.6 SW1.2 SW2.6 U9.30 | length 6632.1
  Top Layer w8: v1(1165,2085) 1180,2085 v1(1450,1815) ; v1(2460,-1285) 2527.29,-1217.71 U9.30@2527.29,-1217.01 2527.99,-1217.01 2565,-1180 2565,-1065 2475,-975 P1.13@2475,-890
  Top Layer w20: P24.6@2405,2235 SW2.6@2405,2430
  Bottom Layer w8: v1(1165,2085) 1163.71,2086.29 1163.71,2126.29 1177.43,2140 1707.43,2140 1857.43,2290 2335,2290 2375,2330 2375,2380 2405,2410 SW2.6@2405,2430 ; v1(1450,1815) 1690,1575 1690,-480 1860,-650 2305,-650 2425,-770 2425,-840 P1.13@2475,-890 ; v1(2460,-1285) 2475,-1270 2665.28,-1270 2705,-1309.72 2705,-1349.8 2875.2,-1520 2980,-1520 SW1.2@3030,-1470
1W2PA10: P1.12 P24.5 SW1.1 SW2.5 U9.31 | length 6445.1
  Top Layer w8: v1(1125,2085) 1150,2060 1165,2060 v1(1410,1815) ; P1.12@2375,-790 2425,-840 2425,-955 2545,-1075 2545,-1171.46 U9.31@2513.37,-1203.09 v1(2466.46,-1250)
  Top Layer w20: P24.5@2305,2235 SW2.5@2305,2430
  Bottom Layer w8: v1(1125,2085) 1125,2130 1165,2170 1695,2170 1845,2320 2325,2320 2345,2340 2345,2380 2305,2420 SW2.5@2305,2430 ; v1(1410,1815) 1660,1565 1660,-495 1845,-680 2265,-680 P1.12@2375,-790 ; v1(2466.46,-1250) 2675,-1250 2730,-1305 2730,-1350 2850,-1470 SW1.1@2930,-1470
1WPA9: P24.2 SW2.2 U16.101 | length 4155.2
  Top Layer w8: v1(1265,2080) 1265,2082.43 1482.43,1865 2070,1865 2120,1815 v1(2120,1780) ; U16.101@2836.84,289.07 2875,327.23 v1(2875,365)
  Top Layer w20: P24.2@2005,2235 SW2.2@2005,2430
  Bottom Layer w8: v1(1265,2080) 1942.43,2080 1975,2112.57 1975,2155 2005,2185 P24.2@2005,2235 ; v1(2120,1780) 2120,1610 2080,1570 2080,930 2320,690 2740,690 2875,555 v1(2875,365)